# Altium PCB FPv0.16.PcbDoc (part 2 of 2)
Units mil, origin at the board's own origin, x right, y up, seen from the top; angles counter-clockwise.
Board outline 3200 x 2100 mil, 4 copper layers (Top Layer, GROUND PLANE, MidLayer1, Bottom Layer); 85 components, 150 nets, 545 pads, 235 vias.
Unrouted connection lines stored in the file: 72.
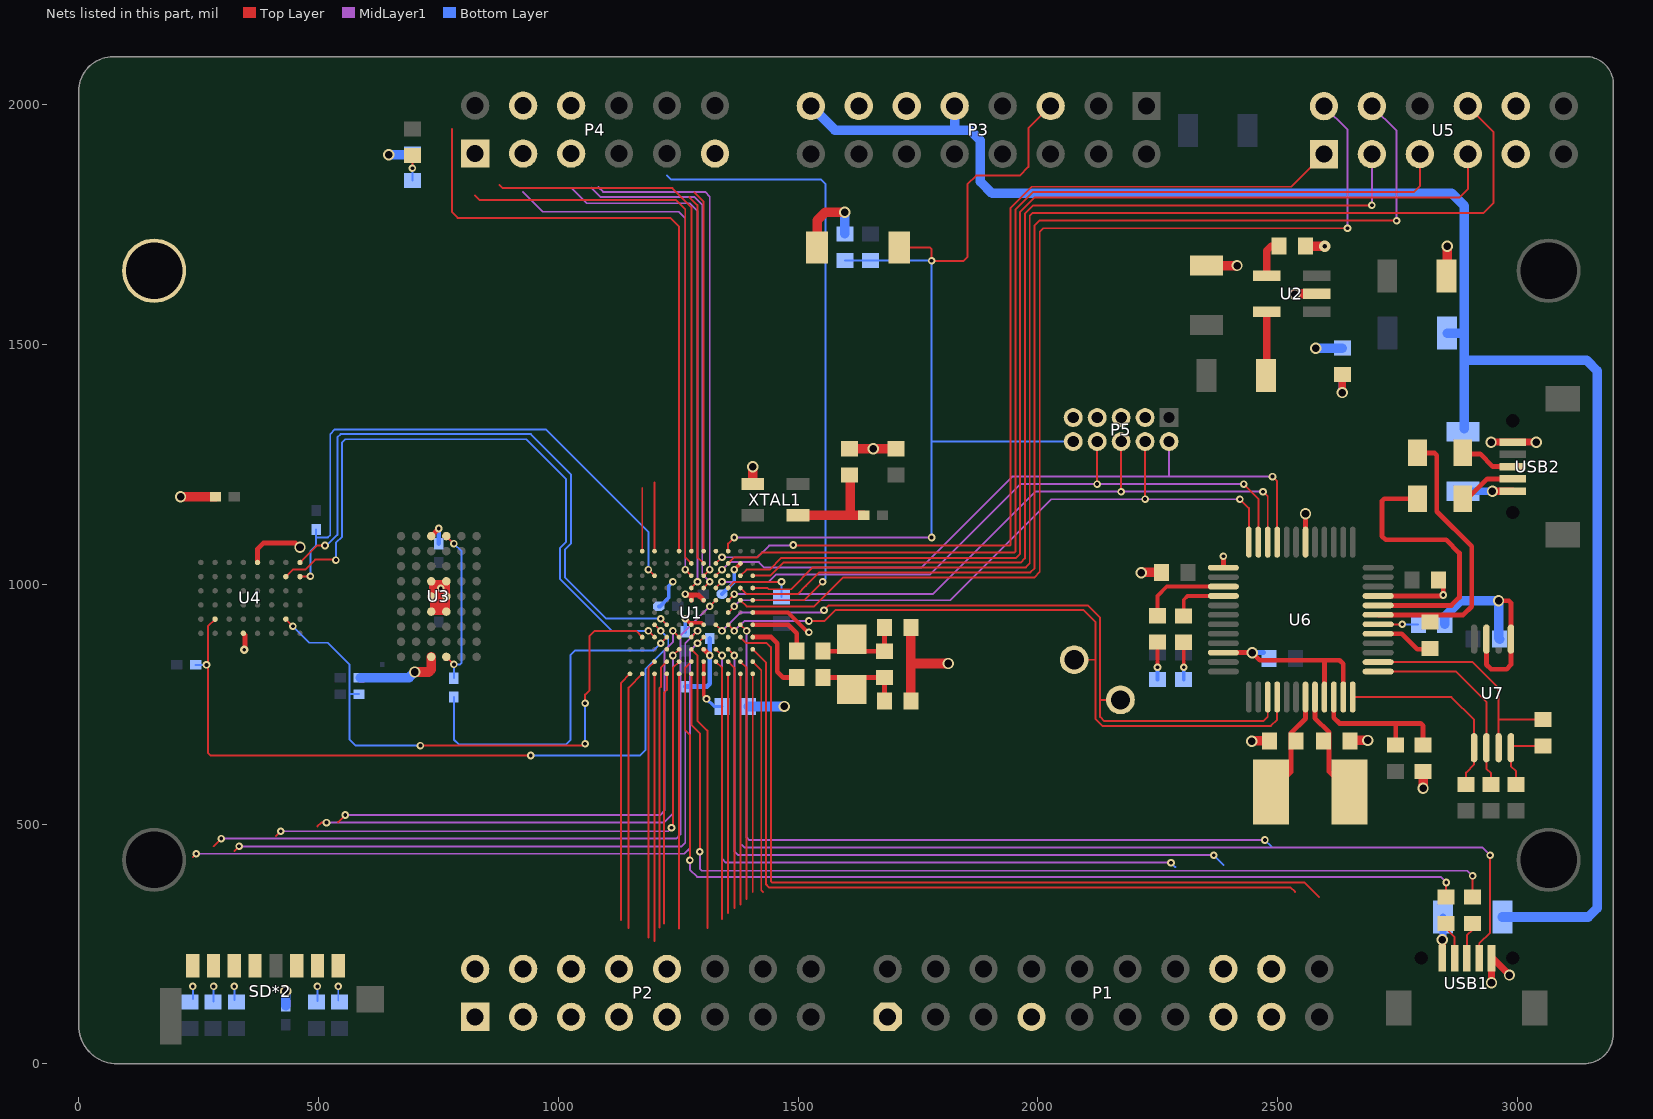
[diagram p4: the nets of this part, all layers, seen from the top]

## Via types
v1: diameter 15.87, hole 7.87, Top Layer to Bottom Layer, tented both sides, 200 vias
v2: diameter 23.62, hole 15.75, Top Layer to Bottom Layer, tented both sides, 33 vias
v3: diameter 23.62, hole 9.45, Top Layer to Bottom Layer, tented both sides, 1 vias
v4: diameter 17.83, hole 7.87, Top Layer to Bottom Layer, tented both sides, 1 vias

## Nets (pads, with @x,y where several pads share a name; then routed paths per layer and width w, separated by ;. In a path a pad name is that pad's centre, name@x,y a point inside that pad or via, vN(x,y) a via of type N, cw(c..) or ccw(c..) an arc to the next point about the centre after c; other vN are vias at no path point) (continued)
ALE: R17.2 U3.A4 U3.J4 | length 345.9
  Top Layer w4: U3.J4@766.73,848.43 v1(782.48,832.68) ; U3.A4@766.73,1100.39 v1(782.48,1084.64)
  Bottom Layer w4: R17.2@782.48,804.13 v1(782.48,832.68) 795.28,832.68 798.54,835.94 798.54,1068.58 v1(782.48,1084.64)
ANALOG1: P1.1
ANALOG2: U1.H2 | length 541.7
  Top Layer w4: U1.H2@1328.74,838.58 1341.54,825.79 1341.54,302.17
ANALOG3: U1.J1 | length 499
  Top Layer w4: 1354.33,313.98 U1.J1@1354.33,812.99
ANALOG4: U1.J2 | length 519.1
  Top Layer w4: U1.J2@1354.33,838.58 1367.13,825.79 1367.13,324.8
ANALOG5: U1.K1 | length 481.3
  Top Layer w4: 1379.92,331.69 U1.K1@1379.92,812.99
ANALOG6: U1.K2 | length 500.4
  Top Layer w4: U1.K2@1379.92,838.58 1392.72,825.79 1392.72,343.5
ANALOG7: U1.L1 | length 454.7
  Top Layer w4: 1405.51,358.27 U1.L1@1405.51,812.99
ANALOG8: U1.L2 | length 489.7
  Top Layer w4: U1.L2@1405.51,838.58 1423.23,820.87 1423.23,362.2 1427.48,357.95
ANALOG9: U1.J3 | length 1457.9
  Top Layer w4: U1.J3@1354.33,864.17 v1(1367.12,851.37)
  MidLayer1 w4: v1(1367.12,851.37) 1367.12,442.92 1375,435.04 v1(2366.63,435.04)
  Bottom Layer w4: v1(2366.63,435.04) 2386.81,414.86
ANALOG10: U1.H3 | length 1394.7
  Top Layer w4: U1.H3@1328.74,864.17 v1(1341.53,851.37)
  MidLayer1 w4: v1(1341.53,851.37) 1341.53,427.17 1349.41,419.29 v1(2277.56,419.29)
  Bottom Layer w4: v1(2277.56,419.29) 2286.81,410.04
ANALOG11: U1.L3 | length 1611.4
  Top Layer w4: U1.L3@1405.51,864.17 1433.23,836.46 1433.23,373.86 1439.13,367.95 2526.73,367.95 2536.42,358.27
ANALOG12: U1.K5 | length 1550.3
  Top Layer w4: U1.K5@1379.92,915.35 v1(1392.72,902.56)
  MidLayer1 w4: v1(1392.72,902.56) 1392.87,902.4 1392.87,472.28 1398.62,466.54 v1(2473.43,466.54)
  Bottom Layer w4: v1(2473.43,466.54) 2486.81,453.15
ANALOG13: U1.K4 | length 1717.6
  Top Layer w4: U1.K4@1379.92,889.76 1392.42,877.26 1434.74,877.26 1443.23,868.78 1443.23,380.59 1445.87,377.95 2556.1,377.95 2586.81,347.24
AVDD: FB1.2 U1.F5 U1.G5 | length 95.2
  Top Layer w8: U1.G5@1303.15,915.35 1299.01,919.5 1281.7,919.5 ; 1273.42,919.5 1281.7,919.5 ; 1273.42,919.5 U1.F5@1277.56,915.35 1281.7,919.5 ; 1273.42,919.5 v1(1264.76,928.15) 1273.41,919.5
  Bottom Layer w8: FB1.2@1264.76,900.59 v1(1264.76,928.15)
BE23_16: U1.D5 U4.A1 | length 1302.9
  Top Layer w4: U4.A1@461.61,1045.28 497.05,1080.71 v1(513.78,1080.71) ; v1(1213.58,928.14) U1.D5@1226.38,915.35
  Bottom Layer w4: v1(513.78,1080.71) 517.09,1080.71 539.37,1102.98 539.37,1306.1 546.1,1312.83 942.91,1312.83 1026.57,1229.17 1026.57,1084.36 1013.78,1071.56 1013.78,1014.76 1100.4,928.14 v1(1213.58,928.14)
BE31_24: U1.C4 U4.B2 | length 1334.9
  Top Layer w4: U4.B2@432.09,1015.75 446.85,1030.51 472.44,1030.51 493.11,1051.18 535.43,1051.18 v1(536.42,1050.2) ; v1(1187.99,902.56) U1.C4@1200.79,889.76
  Bottom Layer w4: v1(536.42,1050.2) 536.42,1085.89 549.37,1098.84 549.37,1295.43 556.1,1302.17 932.91,1302.17 1016.57,1218.5 1016.57,1088.5 1003.78,1075.71 1003.78,1010.62 1111.84,902.56 v1(1187.99,902.56)
EECLK: R23.2 U6.1 U7.2 | length 427.8
  Top Layer w4: U6.1@2709.65,817.91 2872.05,817.91 2935.2,754.76 U7.2@2935.2,659.09 2935.2,615 2944.88,605.32 R23.2@2944.88,582.68
EECS: R24.2 U6.48 U7.1 | length 414.4
  Top Layer w4: U6.48@2656.5,764.76 2862.2,764.76 2909.61,717.36 U7.1@2909.61,659.09 2909.61,624.17 2892.72,607.28 R24.2@2892.72,582.68
EEDATA: R25.1 U6.2 U7.3 | length 490.2
  Top Layer w4: U6.2@2709.65,837.6 2906.5,837.6 2960.79,783.31 U7.3@2960.79,659.09 ; 2960.79,717.52 R25.1@3053.15,717.52
FB_ALE: R17.1 U1.D4 | length 732.9
  Top Layer w4: v1(1213.58,876.96) U1.D4@1226.38,889.76
  Bottom Layer w4: R17.1@782.48,764.76 782.48,676.18 792.32,666.34 1016.73,666.34 1025.75,675.35 1025.75,852.52 1034.76,861.53 1198.15,861.53 v1(1213.58,876.96)
FB_CS0: U1.D3
FB_CS2: R14.1 U1.B4 U4.B5 | length 1194.7
  Top Layer w4: U4.B5@432.09,927.17 v1(446.85,912.4) ; v1(712.6,663.39) 1052.17,663.39 v1(1056.1,667.32) ; v1(1056.1,751.97) 1056.1,769.69 1065.35,778.94 1065.35,892.13 1075.79,902.56 1162.4,902.56 U1.B4@1175.2,889.76
  Bottom Layer w4: v1(446.85,912.4) 481.3,877.95 519.68,877.95 564.59,833.05 564.59,676.56 577.76,663.39 v1(712.6,663.39) ; 564.59,770.67 R14.1@584.65,770.67 ; v1(1056.1,667.32) v1(1056.1,751.97)
FB_OE: R16.1 U1.C9 U4.A2 | length 1217.9
  Top Layer w4: U4.A2@461.61,1015.75 v1@482.28,1015.75 ; v1(1187.99,1030.51) U1.C9@1200.79,1017.72
  Bottom Layer w4: v1(483.27,1016.73) 483.27,1069.07 495.08,1080.88 495.08,1097.53 ; R16.1@495.08,1114.17 495.08,1097.53 ; v1(1187.99,1030.51) 1187.99,1109.25 974.41,1322.83 534.45,1322.83 524.61,1312.99 524.61,1102.36 519.77,1097.53 495.08,1097.53
FB_RW: R15.1 U1.C5 U4.G5 | length 1518.3
  Top Layer w4: U4.G5@284.45,927.17 269.68,912.4 269.68,648.62 275.59,642.72 v1@941.93,642.72 ; U1.C5@1200.79,915.35 v1(1213.59,902.56)
  Bottom Layer w4: R15.1@244.09,831.69 v1(266.73,831.69) ; v1(942.91,642.72) 1170.28,642.72 1182.09,654.53 1182.09,823.65 1229.33,870.89 1229.33,886.82 v1(1213.59,902.56)
FT_RXD: pad.1@2172.24,758.86 U1.H5 U6.39 | length 1486.3
  Top Layer w4: U1.H5@1328.74,915.35 v1(1341.54,902.56) ; v1(1554.13,945.87) 1564.13,955.87 2104.17,955.87 2129.92,930.12 2129.92,758.86 ; pad.1@2172.24,758.86 2129.92,758.86 ; U6.39@2479.33,764.76 2479.33,723.43 2470.47,714.57 2138.78,714.57 2129.92,723.43 2129.92,758.86
  MidLayer1 w4: v1(1341.54,902.56) 1379.92,940.94 1549.21,940.94 v1(1554.13,945.87)
FT_TXD: pad.0@2075.79,842.52 U1.J5 U6.40 | length 1482
  Top Layer w4: U1.J5@1354.33,915.35 v1(1367.13,902.56) ; v1(1522.64,923.23) 1555.12,923.23 1577.76,945.87 2095.47,945.87 2119.92,921.42 2119.92,719.28 2134.64,704.57 2486.06,704.57 2499.02,717.52 U6.40@2499.02,764.76 ; pad.0@2075.79,842.52 2118.94,842.52
  MidLayer1 w4: v1(1367.13,902.56) 1387.8,923.23 v1(1522.64,923.23)
FTM1_QDA: U1.B11 | length 131.9
  Top Layer w4: U1.B11@1175.2,1068.9 1175.2,1200.79
FTM1_QDB: U1.C11 | length 143.7
  Top Layer w4: U1.C11@1200.79,1068.9 1200.79,1212.6
FTM2_QDA: U1.J9
FTM2_QDB: U1.J4
GND: C1.1 C2.1 C3.1 C7.1 C8.2 C12.2 C13.1 C14.2 C15.1 C16.1 C17.1 C18.1 C22.1 C24.2 C27.1 C28.1 C29.1 C32.2 C33.1 C34.1 C35.2 C36.1 C37.1 C38.1 P1.7 P1.17 P3.11 P3.13 P5.3 P5.5 P5.7 P5.9 pad.2 R10.1 R30.1 R31.1 R34.1 S3.1 SD*2.6 U1.F7 U1.G3 U1.G7 U1.K10 U1.L6 U2.2 U3.A3 U3.D3 U3.D4 U3.E3 U3.E4 U3.F3 U3.F4 U3.J3 U4.D1 U4.E6 U5.9 U5.10 U6.9 U6.18 U6.25 U6.34 U6.45 U6.47 U7.5 U7.7 USB1.5 USB2.5 XTAL1.2 | length 3847.7
  Top Layer w8: v1(1367.13,1030.44) 1379.92,1043.24 U1.K10@1379.92,1043.31 ; U1.L6@1405.51,940.94 1479.33,940.94 1520.67,899.61 v1(1522.64,899.61)
  Top Layer w10: U4.E6@343.5,897.64 346.68,894.46 346.68,866.36 345.47,865.16 v4(345.47,863.19) ; U4.D1@373.03,1045.28 373.03,1073.82 384.84,1085.63 452.76,1085.63 v2(461.61,1076.77) ; U3.F3@735.24,942.91 U3.F3@739.93,947.6 ; U3.D3@735.24,1005.91 738.19,1002.95 739.93,1001.22 v1@750.98,990.16 ; U3.A3@735.24,1100.39 v1(750.98,1116.14) ; U3.E3@738.19,977.36 U3.E3@735.24,974.41 739.93,969.72 750.98,958.66 ; U3.D4@762.04,1001.22 U3.D4@766.73,1005.91 ; v1(1264.76,979.33) 1266.89,977.2 1277.56,977.2 ; U1.F7@1277.56,966.54 1277.56,977.2 ; U1.G3@1303.15,864.17 v1(1315.95,851.37) ; U1.G7@1303.15,966.54 1292.48,977.2 1277.56,977.2 ; U6.34@2386.81,857.28 v2(2446.85,857.28) 2462.6,841.54 2628.94,841.54 2636.81,833.66 U6.47@2636.81,764.76 ; U6.25@2386.81,1034.45 v1(2386.81,1058.07) ; U6.18@2558.07,1087.6 v2(2558.07,1146.65) ; U6.45@2597.44,764.76 2597.44,839.57 ; U6.9@2709.65,975.39 2844.49,975.39 2845.47,976.38 v1(2845.47,977.36) C29.1@2845.47,1008.86 ; U7.7@2935.2,885.47 2935.2,832.52 2944.88,822.83 2977.36,822.83 2986.38,831.85 U7.5@2986.38,885.47 2986.38,961.46 2982.28,965.55 v2(2960.63,965.55)
  Top Layer w15: U3.F3@735.24,942.91 U3.F4@766.73,942.91 ; U3.D3@738.19,1002.95 U3.E3@738.19,977.36 ; U3.E3@739.93,969.72 739.93,947.6 750.98,958.66 ; U3.D3@739.93,1001.22 762.04,1001.22 v1@750.98,990.16 ; U3.D4@766.73,1005.91 U3.E4@766.73,974.41 ; v2(2944.88,1296.26) USB2.5@2990.16,1296.26 v2(3039.37,1296.26) ; v2(2945.87,169.29) USB1.5@2945.87,220.47 ; USB1.5@2947.83,220.47 v2(2983.27,185.04) ; U3.E3@738.19,977.36 v1@750.98,990.16 ; U3.E3@738.19,977.36 741.14,974.41 U3.E4@766.73,974.41 ; 750.98,958.66 U3.E4@766.73,974.41 ; 750.98,958.66 U3.F4@766.73,942.91 ; v1@750.98,990.16 752.46,988.68 U3.E4@766.73,974.41 ; U3.F4@766.73,942.91 U3.E4@766.73,974.41
  Top Layer w20: v2(212.6,1182.09) C3.1@285.43,1182.09 ; v2(700.79,816.93) 730.31,816.93 735.24,821.85 U3.J3@735.24,848.43 ; XTAL1.2@1405.51,1208.68 v2(1405.51,1245.08) ; S3.1@1539.72,1701.77 1539.72,1758.23 1557.09,1775.59 v2(1597.44,1775.59) ; C36.1@1607.28,1282.48 C27.1@1703.74,1282.48 ; C38.1@1735.24,756.89 C37.1@1735.24,909.45 ; 1736.71,834.65 v2(1812.99,834.65) ; v2(2215.55,1023.62) 2216.54,1024.61 C28.1@2257.87,1024.61 ; C12.2@2352.36,1664.37 v2(2415.35,1664.37) ; v2(2445.87,672.24) 2446.85,673.23 C33.1@2483.27,673.23 ; v2(2535.43,1604.33) 2536.42,1605.32 U2.2@2581.85,1605.32 ; C13.1@2558.07,1704.72 v3(2598.43,1704.72) ; C35.2@2650.59,673.23 2651.57,674.21 v2(2687.99,674.21) ; v2(2803.15,574.8) C24.2@2803.15,609.25 ; C8.2@2853.35,1638.78 v2(2853.35,1704.72)
  Bottom Layer w8: C2.1@1209.65,953.74 1211.94,953.74 1230.52,972.32 1230.52,996.27 v1(1239.18,1004.92) ; C14.2@1341.54,979.33 1367.13,1004.92 v1(1367.13,1030.44)
  Bottom Layer w10: C15.1@750.98,1084.65 v1(750.98,1116.14) ; v1@751.97,991.14 v1(754.92,991.14) ; C1.1@1264.76,786.42 1310.04,786.42 1315.95,792.33 v1(1315.95,851.37) ; v1(1315.95,851.37) R10.1@1315.94,886.81 ; v2(2446.85,857.28) C22.1@2470.47,857.28
  Bottom Layer w20: C17.1@432.09,121.06 v2(432.09,151.57) ; C16.1@587.6,805.12 688.98,805.12 v2(700.79,816.93) ; v2(646.65,1895.67) R34.1@694.87,1895.67 ; C18.1@750.98,960.63 750.98,990.16 v1@751.97,991.14 ; R30.1@1396.65,745.08 v2(1471.46,745.08) ; C7.1@1597.44,1730.31 v2(1597.44,1775.59) ; v2(2579.72,1492.13) R31.1@2634.84,1492.13 ; C32.2@2848.43,916.34 2848.43,933.07 2880.91,965.55 v2(2960.63,965.55) 2960.63,887.6 C34.1@2962.76,885.47
  other v2: 1656.5,1282.48
JTAG_TCK: P5.4 U1.J6 U6.24 | length 1381.2
  Top Layer w4: U1.J6@1354.33,940.94 v1(1367.12,953.74) ; v1(2223.62,1177.36) P5.4@2223.62,1297.44 ; v1(2421.26,1177.17) 2439.96,1158.46 U6.24@2439.96,1087.6
  MidLayer1 w4: v1(1367.12,953.74) 1379.92,966.54 1816.93,966.54 2027.56,1177.17 v1@2420.28,1177.17
JTAG_TDI: P5.8 U1.H8 U6.23 | length 1412.6
  Top Layer w4: U1.H8@1328.74,992.13 v1(1341.54,1004.92) ; v1(2123.62,1208.66) P5.8@2123.62,1297.44 ; v1(2429.13,1208.66) 2459.65,1178.15 U6.23@2459.65,1087.6
  MidLayer1 w4: v1(1341.54,1004.92) 1438.98,1004.92 1454.5,1020.45 1775.37,1020.45 1963.58,1208.66 v1(2123.62,1208.66) v1(2429.13,1208.66)
JTAG_TDO: P5.6 U1.J7 U6.22 | length 1422.8
  Top Layer w4: U1.J7@1354.33,966.54 v1(1367.13,979.33) ; v1(2173.62,1192.91) P5.6@2173.62,1297.44 ; v1(2469.49,1192.91) 2479.33,1183.07 U6.22@2479.33,1087.6
  MidLayer1 w4: v1(1367.13,979.33) 1780.52,979.33 1994.09,1192.91 v1(2173.62,1192.91) v1(2469.49,1192.91)
JTAG_TMS: P5.2 U1.H9 U6.21 | length 1469.3
  Top Layer w4: U1.H9@1328.8,1017.72 v1(1341.54,1030.45) ; v1(2489.17,1224.41) 2499.02,1214.57 U6.21@2499.02,1087.6
  MidLayer1 w4: v1(1341.54,1030.45) 1357.19,1046.1 1418.46,1046.1 1429.8,1034.76 1756.57,1034.76 1946.22,1224.41 2273.62,1224.41 ; P5.2@2273.62,1297.44 2273.62,1224.41 ; v1(2489.17,1224.41) 2273.62,1224.41
MRF_CS: U1.K9 U5.7 | length 2341
  Top Layer w4: U1.K9@1379.92,1017.72 1392.72,1030.51 1440.94,1030.51 1465.39,1054.96 1954.46,1054.96 1963.11,1063.61 1963.11,1776.46 1992.75,1806.1 2878.94,1806.1 2896.46,1823.62 U5.7@2896.46,1896.65
MRF_INT: U1.K7 U5.2 | length 2291.2
  Top Layer w4: U1.K7@1379.92,966.54 1392.72,953.74 1533.46,953.74 1593.5,1013.78 1992.13,1013.78 2003.94,1025.59 2003.94,1735.24 2010.83,1742.13 v1(2645.67,1742.13)
  MidLayer1 w4: U5.2@2596.46,1996.65 2645.67,1947.44 v1(2645.67,1742.13) v1@2645.67,1739.17
MRF_SCK: U1.L9 U5.3 | length 2138.3
  Top Layer w4: U1.L9@1405.51,1017.72 1442.29,1017.72 1469.54,1044.96 1964.25,1044.96 1973.11,1053.82 1973.11,1772.32 1990.51,1789.72 v1@2696.46,1789.72
  MidLayer1 w4: v1(2696.46,1789.96) U5.3@2696.46,1896.65
MRF_SDI: U1.H10 U5.1 | length 2031.7
  Top Layer w4: U1.H10@1328.74,1043.31 v1(1341.54,1056.1) ; v1@1490.16,1080.51 1941.73,1080.51 1943.11,1081.89 1943.11,1784.75 1987.1,1828.74 2528.54,1828.74 U5.1@2596.46,1896.65
  MidLayer1 w4: v1(1341.54,1056.1) 1415.35,1056.1 1439.76,1080.51 v1@1488.97,1080.51
  other v1: 1490.16,1081.69
MRF_SDO: U1.J10 U5.5 | length 2252.3
  Top Layer w4: U1.J10@1354.33,1043.31 1366.75,1055.73 1414.98,1055.73 1425.2,1065.94 1951.31,1065.94 1953.11,1067.75 1953.11,1780.61 1990.42,1817.91 2784.45,1817.91 2796.46,1829.92 U5.5@2796.46,1896.65
MRF_WAKE: U1.K8 U5.4 | length 2374.7
  Top Layer w4: U1.K8@1379.92,992.13 1392.72,979.33 1499.19,979.33 1516.42,996.56 1516.42,996.73 1544.29,1024.61 1984.25,1024.61 1993.11,1033.46 1993.11,1748.03 2002.95,1757.87 v1(2748.03,1757.87)
  MidLayer1 w4: U5.4@2696.46,1996.65 2748.03,1945.08 v1(2748.03,1757.87)
N_RST: C7.2 P3.5 P5.10 R32.2 S3.2 U1.J11 | length 2108.3
  Top Layer w4: U1.J11@1354.33,1068.9 1354.33,1084.65 v1(1367.13,1097.44) ; S3.2@1710.98,1701.77 1775.59,1701.77 1778.54,1698.82 v1(1778.54,1674.21) 1845.47,1674.21 1853.19,1681.93 1853.19,1833.5 1871.38,1851.69 1961.93,1851.69 1980.31,1870.08 1980.31,1950.75 P3.5@2026.61,1997.05
  MidLayer1 w4: v1(1367.13,1097.44) v1(1778.54,1097.44)
  Bottom Layer w4: C7.2@1597.44,1675.2 v1@1778.54,1675.2 ; v1(1778.54,1097.44) v1(1778.54,1674.21) ; 1779.72,1297.44 P5.10@2073.62,1297.44
NetC13_2: C13.2 U2.4 | length 82.5
  Top Layer w15: U2.4@2477.2,1642.72 2477.2,1695.71 2486.22,1704.72 C13.2@2502.95,1704.72
NetC24_1: C24.1 R1.2 U6.46 | length 320.9
  Top Layer w10: U6.46@2617.13,764.76 2617.13,721.46 2628.94,709.65 2798.23,709.65 2803.15,704.72 C24.1@2803.15,664.37 ; R1.2@2746.06,664.37 2746.06,708.66
NetC32_1: C32.1 U6.6 | length 82.7
  Top Layer w4: U6.6@2709.65,916.34 v1(2759.84,916.34)
  Bottom Layer w4: v1(2759.84,916.34) C32.1@2792.32,916.34
NetC33_2: C33.2 U6.43 Y2.2 | length 227.6
  Top Layer w10: Y2.2@2486.22,566.93 2527.56,608.27 2527.56,688.98 2558.07,719.49 U6.43@2558.07,764.76
NetC35_1: C35.1 U6.44 Y2.1 | length 227.6
  Top Layer w10: U6.44@2577.76,764.76 2577.76,720.47 2607.28,690.94 2607.28,682.09 2607.28,609.25 Y2.1@2649.61,566.93
NetC36_2: C36.2 FB2.2 XTAL1.4 | length 218.5
  Top Layer w20: XTAL1.4@1500.01,1143.68 1609.25,1143.7 ; C36.2@1609.25,1225.39 1609.25,1143.7 ; FB2.2@1636.81,1143.7 1609.25,1143.7
NetC37_2: C37.2 R26.1 R27.1 Y1.1 | length 169.1
  Top Layer w10: R26.1@1552.32,860.31 R27.1@1672.2,860.31 ; R27.1@1680.12,860.24 C37.2@1680.12,909.45
NetC38_2: C38.2 R27.2 R28.1 Y1.2 | length 168.2
  Top Layer w10: R28.1@1552.32,805.31 R27.2@1672.32,805.31 ; C38.2@1680.12,756.89 R27.2@1680.12,805.12
NetF2_1: F2.1 U2.5 | length 132.9
  Top Layer w15: F2.1@2477.2,1435.04 U2.5@2477.2,1567.91
NetL1_2: L1.2 R34.2 | length 50.9
  Top Layer w4: v1@695.87,1868.11 L1.2@695.87,1893.7
  Bottom Layer w4: v1(695.87,1867.13) 696.37,1866.63 R34.2@696.37,1842.05
NetL3_2: L3.2 R31.2 | length 74.8
  Top Layer w15: v2(2634.84,1399.61) L3.2@2634.84,1437.01
  Bottom Layer w15: v2(2634.84,1399.61) R31.2@2634.84,1437.01
NetL4_1: L4.1 R18.1 | length 77.9
  Top Layer w8: v1(2304.13,826.77) L4.1@2304.13,878.94
  Bottom Layer w8: R18.1@2304.13,801.06 v1(2304.13,826.77)
NetL5_1: L5.1 R19.1 | length 79.4
  Top Layer w8: L5.1@2249.37,879.09 2249.37,827.99 v1@2250.59,826.77
  Bottom Layer w8: R19.1@2249.37,801.22 v1@2249.37,826.63 ; v1(2249.46,826.72) 2249.51,826.77 v1@2250.59,826.77
NetR2_2: R2.2 USB1.2 | length 79.2
  Top Layer w4: R2.2@2851.38,292.32 2851.38,281.5 2869.09,263.78 USB1.2@2869.09,220.47
NetR3_2: R3.2 USB1.3 | length 76.7
  Top Layer w4: USB1.3@2894.68,220.47 2894.68,267.72 2906.5,279.53 R3.2@2906.5,292.32
NetR9_2: R9.2 U1.J8 | length 148
  Top Layer w4: U1.J8@1354.33,992.13 1367.13,1004.92 v1(1465.55,1004.92)
  Bottom Layer w4: R9.2@1465.55,973.43 v1(1465.55,1004.92)
NetR20_1: R20.1 USB2.2 | length 121.5
  Top Layer w10: R20.1@2885.83,1178.15 2895.67,1178.15 2937.01,1219.49 USB2.2@2990.16,1219.49
NetR21_1: R21.1 USB2.3 | length 117.3
  Top Layer w10: R21.1@2883.86,1271.65 2922.24,1271.65 2948.82,1245.08 USB2.3@2990.16,1245.08
NetR22_2: R22.2 R25.2 U7.4 | length 144.3
  Top Layer w4: U7.4@2986.38,659.09 2986.38,620.91 2997.05,610.24 R22.2@2997.05,582.68 ; U7.4@2989.69,662.4 R25.2@3053.15,662.4
NetR29_2: R29.2 U6.5 | length 124.6
  Top Layer w10: U6.5@2709.65,896.65 2758.86,896.65 2791.34,864.17 2811.02,864.17 R29.2@2817.91,871.06
NetR30_2: R30.2 U1.G1 U1.G2 | length 128.1
  Top Layer w7: U1.G2@1303.15,838.58 U1.G1@1303.15,812.99 1303.15,766.73 v1(1309.06,760.83)
  Bottom Layer w4: R30.2@1341.54,745.08 R30.2@1341.54,753.94
  Bottom Layer w7: v1(1309.06,760.83) 1324.8,745.08 R30.2@1341.54,745.08
PTA13: U1.L8 U5.8 | length 2527.9
  Top Layer w4: U1.L8@1405.51,992.13 1436.02,992.13 1438.66,989.49 1485.55,989.49 1531.02,1034.96 1974.92,1034.96 1983.11,1043.15 1983.11,1768.18 1988.55,1773.62 2929.13,1773.62 2949.8,1794.29 2949.8,1943.31 U5.8@2896.46,1996.65
PTA19: P4.11
PTA29: P4.5 U1.H11
PTB0: P4.6 U1.G11 | length 756
  Top Layer w4: 1283.62,1816.77 1303.15,1797.24 U1.G11@1303.15,1068.9
PTB1: P4.3 U1.G10 | length 776
  Top Layer w4: 1273.62,1807.09 1290.35,1790.35 1290.35,1056.1 U1.G10@1303.15,1043.31
PTB2: P4.4 U1.G9 | length 1036.1
  Top Layer w4: U1.G9@1303.15,1017.72 v1(1315.94,1030.51)
  MidLayer1 w4: 1083.66,1827.76 1093.5,1817.91 1306.1,1817.91 1315.94,1808.07 v1(1315.94,1030.51)
PTB3: P4.1 U1.G8 | length 1057
  Top Layer w4: U1.G8@1303.15,992.13 v1(1315.94,1004.92)
  MidLayer1 w4: 1068.9,1826.77 1088.58,1807.09 1284.45,1807.09 1300.35,1791.18 1300.35,1020.51 v1(1315.94,1004.92)
PTB6: U1.F11 | length 1137.3
  Top Layer w4: 876.97,1832.68 883.86,1825.79 1238.19,1825.79 1277.56,1786.42 U1.F11@1277.56,1068.9
PTB7: U1.E11 | length 1336.2
  Top Layer w4: 778.54,1949.57 778.54,1775.59 790.35,1763.78 1233.27,1763.78 1251.97,1745.08 U1.E11@1251.97,1068.9
PTB20: U1.F10 | length 1193.2
  Top Layer w4: 826.81,1810 835.63,1801.18 1245.08,1801.18 1264.76,1781.5 1264.76,1056.1 U1.F10@1277.56,1043.31
PTB21: U1.F9 | length 1110.9
  Top Layer w4: v1(1264.76,1030.51) U1.F9@1277.56,1017.72
  MidLayer1 w4: 926.81,1817.28 967.52,1776.57 1250.98,1776.57 1264.76,1762.8 v1(1264.76,1030.51)
PTB22: U1.F8 | length 1075.1
  Top Layer w4: U1.F8@1277.56,992.13 v1(1290.35,1004.92)
  MidLayer1 w4: 1026.81,1826.54 1059.06,1794.29 1274.61,1794.29 1290.35,1778.54 v1(1290.35,1004.92)
PTD7: P2.1 U1.A1 | length 520.5
  Top Layer w4: 1130.91,300.2 1130.91,794.29 U1.A1@1149.61,812.99
PTD8: P2.2
PTD9: P2.3
PTD10: P2.4 U1.B1 | length 541.4
  Top Layer w4: 1146.65,283.46 1146.65,784.45 U1.B1@1175.2,812.99
PTD11: P2.5 U1.C2 | length 580.1
  Top Layer w4: 1187.99,263.78 1187.99,825.79 U1.C2@1200.79,838.58
PTD12: P2.6 U1.C1 | length 557.1
  Top Layer w4: 1200.79,255.91 U1.C1@1200.79,812.99
PTD13: P2.7 U1.D2 | length 560.7
  Top Layer w4: 1210.79,284.29 1210.79,782.64 1213.96,785.81 1213.96,826.16 U1.D2@1226.38,838.58
PTD14: P2.8 U1.D1 | length 523.3
  Top Layer w4: 1220.79,292.01 1220.79,773.94 1226.38,779.53 U1.D1@1226.38,812.99
PTD15: P2.9 U1.E1 | length 530.5
  Top Layer w4: 1251.97,282.48 U1.E1@1251.97,812.99
PTE0: R8.2 SD*2.8 U1.E4 | length 1120.2
  Top Layer w4: v1@541.22,161.54 v1(541.34,161.42) ; 541.22,503.82 v1(556.1,518.7) ; v1(1239.17,902.56) U1.E4@1251.97,889.76
  MidLayer1 w4: v1(556.1,518.7) 1212.6,518.7 1221.46,527.56 1221.46,861.22 1239.17,878.93 v1(1239.17,902.56)
  Bottom Layer w4: R8.2@541.34,131.89 v1(541.34,161.42)
PTE1: R7.2 SD*2.7 U1.E3 | length 1130.8
  Top Layer w4: 497.91,494.96 505.91,502.95 v1(516.73,502.95) ; v1(1239.17,851.37) U1.E3@1251.97,864.17
  MidLayer1 w4: v1(516.73,502.95) 1220.47,502.95 1239.17,521.65 v1(1239.17,851.37)
  Bottom Layer w4: R7.2@497.91,130.79 v1(497.91,161.42)
PTE2: SD*2.5 U1.E2 | length 1183.8
  Top Layer w4: 411.3,474.96 v1(421.26,484.92) ; v1@1239.17,492.13 1239.17,825.79 U1.E2@1251.97,838.58
  MidLayer1 w4: v1(421.26,484.92) 1229.02,484.92 v1(1236.22,492.13)
PTE3: R6.2 SD*2.3 U1.F4 | length 1446.2
  Top Layer w4: 324.69,443.46 v1(334.65,453.43) ; U1.F4@1277.56,889.76 v1(1290.35,902.56)
  MidLayer1 w4: v1(334.65,453.43) 1257.56,453.43 1264.76,460.63 1264.76,876.97 v1(1290.35,902.56)
  Bottom Layer w4: R6.2@324.69,132.99 v1(324.69,161.42)
PTE4: R5.2 SD*2.2 U1.H7 | length 1534.2
  Top Layer w4: 281.38,453.62 v1(297.24,469.49) ; v1(1315.94,953.74) U1.H7@1328.74,966.54
  MidLayer1 w4: v1(297.24,469.49) 1246.06,469.49 1254.76,478.19 1254.76,892.56 v1(1315.94,953.74)
  Bottom Layer w4: R5.2@281.38,129.8 v1(281.38,161.42)
PTE5: R4.2 SD*2.1 U1.G4 | length 1522.8
  Top Layer w4: 238.07,430.98 v1(245.08,437.99) ; v1(1290.35,876.96) U1.G4@1303.15,889.76
  MidLayer1 w4: v1(245.08,437.99) 1262.8,437.99 1274.76,449.96 1274.76,861.38 v1(1290.35,876.96)
  Bottom Layer w4: R4.2@238.07,134.72 v1(238.07,161.42)
PTE6: P2.10 U1.F3 | length 595.4
  Top Layer w4: U1.F3@1277.56,864.17 1290.35,851.38 1290.35,715.55 1311.02,694.88 1311.02,282.64
PTE24: P1.15
PTE25: P1.16
PTE26: P1.18
RTC_INT: U1.L7 | length 1331.2
  Top Layer w4: U1.L7@1405.51,966.54 1512.8,966.54 v1(1551.18,1004.92)
  Bottom Layer w4: 1226.81,1851.93 1235.24,1843.5 1548.23,1843.5 1557.09,1834.65 1557.09,1010.83 v1(1551.18,1004.92)
RTCX1: R26.2 U1.L5 | length 136.3
  Top Layer w10: U1.L5@1405.51,915.35 1479.33,915.35 1497.2,897.48 R26.2@1497.2,860.31
RTCX2: R28.2 U1.L4 | length 161.3
  Top Layer w10: U1.L4@1405.51,889.76 1443.9,889.76 1456.69,876.97 1456.69,817.91 1469.29,805.31 R28.2@1497.2,805.31
RXD_LED: L4.2 U6.28 | length 119.4
  Top Layer w8: L4.2@2304.13,934.06 2304.13,967.52 2312.01,975.39 U6.28@2386.81,975.39
TXD_LED: L5.2 U6.27 | length 187
  Top Layer w8: L5.2@2249.37,934.21 2249.37,975.75 2268.7,995.08 U6.27@2386.81,995.08
USB0D_N: R20.2 U6.8 | length 593.5
  Top Layer w10: U6.8@2709.65,955.71 2862.2,955.71 2878.94,972.44 2878.94,1064.96 2851.38,1092.52 2725.39,1092.52 2717.52,1100.39 2717.52,1173.23 2722.44,1178.15 R20.2@2791.34,1178.15
USB0D_P: R21.2 R29.1 U6.7 | length 602.8
  Top Layer w10: U6.7@2709.65,936.02 R29.1@2826.77,936.02 ; R21.2@2791.34,1273.62 2826.77,1273.62 2831.69,1268.7 2831.69,1151.57 2904.53,1078.74 2904.53,953.51 2887.04,936.02 2827.76,936.02 R29.1@2817.91,926.18
USB1_ID: USB1.4 | length 1820.5
  Top Layer w4: USB1.4@2919.29,220.47 2919.29,248.03 ; USB1.4@2920.27,220.47 2920.27,250.98 2942.91,273.62 v1(2942.91,435.04)
  MidLayer1 w4: 1382.87,456.69 1388.78,450.79 2927.17,450.79 v1(2942.91,435.04)
USB1D_N: R2.1 U1.F2 | length 2061.7
  Top Layer w4: v1(1274.61,424.21) 1274.61,686.02 1264.76,695.87 1264.76,825.79 U1.F2@1277.56,838.58 ; R2.1@2851.38,347.44 v1(2851.38,377.95)
  MidLayer1 w4: v1(1274.61,424.21) 1274.61,404.53 1289.37,389.76 2839.57,389.76 v1(2851.38,377.95)
USB1D_P: R3.1 U1.F1 | length 2075.5
  Top Layer w4: U1.F1@1277.56,812.99 1277.56,706.69 1295.28,688.98 v1(1295.28,441.93) ; R3.1@2906.5,347.44 v1(2906.5,391.73)
  MidLayer1 w4: v1(1295.28,441.93) 1295.28,406.5 1299.21,402.56 2895.67,402.56 v1(2906.5,391.73)
VBUS0: D1.1 USB2.1 | length 103.3
  Top Layer w15: v2(2947.83,1193.9) USB2.1@2990.16,1193.9
  Bottom Layer w15: D1.1@2886.81,1193.9 v2(2947.83,1193.9)
VBUS1: D2.1 USB1.1 | length 86
  Top Layer w15: USB1.1@2843.5,220.47 v2(2843.5,258.86)
  Bottom Layer w15: v2(2843.5,258.86) 2844.49,259.84 D2.1@2844.49,306.1
VCC: D1.2 D2.2 F1.1 P3.9 P3.15 | length 3661.1
  Bottom Layer w20: P3.15@1526.61,1997.05 1576.81,1946.85 1825.63,1946.85 ; P3.9@1826.61,1997.05 1826.61,1946.85 1858.27,1946.85 1879.92,1925.2 1879.92,1839.57 1904.53,1814.96 2863.19,1814.96 2888.78,1789.37 2888.78,1524.61 ; F1.1@2853.35,1523.62 2887.8,1523.62 2888.78,1524.61 ; D1.2@2888.78,1323.82 2888.78,1466.54 ; D2.2@2968.5,306.1 3147.64,306.1 3166.34,324.8 3166.34,1444.88 3144.69,1466.54 2888.78,1466.54 ; 2888.78,1466.54 2888.78,1524.61
pads on no net: L1.1 P1.2 P1.3 P1.4 P1.5 P1.6 P1.8 P1.9 P1.10 P1.11 P1.12 P1.13 P1.14 P1.19 P1.20 P2.11 P2.12 P2.13 P2.14 P2.15 P2.16 P3.1 P3.2 P3.4 P3.6 P3.8 P3.10 P3.12 P3.14 P3.16 P4.2 P4.7 P4.8 P4.9 P4.10 P4.12 SD*2.0 U1.A4 U1.A5 U1.A6 U1.A9 U1.A10 U1.A11 U1.B5 U1.B6 U1.B8 U1.D11 U1.E8 U1.H1 U1.H4 U1.H6 U1.K3 U1.K11 U3.A2 U3.A5 U3.B3 U3.B4 U3.H3 U3.H4 U3.J2 U3.J5 U4.E3 U4.H6 U5.6 U6.11 U6.12 U6.13 U6.15 U6.16 U6.17 U6.19 U6.20 U6.29 U6.30 U6.32 U6.33 U6.35 U6.36 U6.37 U6.38 U6.41 USB1.0 USB1.6 USB1.7 USB2.0 USB2.4 USB2.6 USB2.7 XTAL1.1
copper on no net: | length 593.1
  Top Layer w4: 1328.74,292.32 1328.74,812.99
  Top Layer w20: 454.61,201.26 v2@454.61,273.74
  other v2: 453.74,274.61

## Polygon pours and split planes (outlines as drawn)
GND on MidLayer1 "MidLayer1-GND" (solid, pour order 2): 89.57,1705.71 1256.89,1705.71 1256.89,531.5 720.05,531.5 89.57,531.5
GND on GROUND PLANE (split plane): 72.44,2079.9 3142.13,2079.9 3142.6,2079.95 3147.07,2079.66 3151.92,2078.69 3156.61,2077.1 3161.05,2074.91 3165.17,2072.16 3168.89,2068.89 3172.16,2065.17 3174.91,2061.05 3177.1,2056.61 3178.69,2051.92 3179.66,2047.07 3179.95,2042.6 3179.9,2042.13 3179.9,62.2 3179.96,61.67 3179.63,56.7 3178.55,51.28 3176.78,46.06 3174.34,41.11 3171.27,36.52 3167.63,32.37 3163.48,28.73 3158.89,25.66 3153.94,23.22 3148.72,21.45 3143.3,20.37 3138.33,20.04 3137.8,20.1 80.71,20.1 80.11,20.04 73.91,20.39 67.2,21.53 60.66,23.41 54.37,26.02 48.41,29.31 42.86,33.25 37.78,37.78 33.25,42.86 29.31,48.41 26.02,54.37 23.41,60.66 21.53,67.2 20.39,73.91 20.04,80.11 20.1,80.71 20.1,2027.56 20.05,2028.07 20.35,2033.43 21.33,2039.22 22.96,2044.87 25.21,2050.3 28.05,2055.45 31.45,2060.24 35.37,2064.63 39.76,2068.55 44.55,2071.95 49.7,2074.79 55.13,2077.04 60.78,2078.67 66.57,2079.65 71.93,2079.95

## Keep-outs
Keep-Out Layer:
  the board outline again, w10

## Silkscreen, mask and mechanical layers (free items; w line width, h text height)
Top Overlay:
  drawing of 565 lines, arcs and shapes, not listed
  text ">" at 705.71,1925.2 h30 r90
  text "DDK" at 331.69,1828.74 h50
  text "NC" at 2207.68,1815.94 h30
  text "3.3V" at 2106.3,1814.96 h30
  text "RST" at 2005.91,1813.98 h30
  text "GND" at 1596.46,1812.99 h30
  text "VCC" at 1802.17,1812.99 h30
  text "3.3V" at 1904.53,1812.99 h30
  text "VCC" at 1496.06,1812.01 h30
  text "GND" at 1698.82,1811.02 h30
  text "GND" at 2972.44,1808.07 h30
  text "3.3V" at 3078.74,1807.09 h30
  text "INT" at 2570.87,1806.1 h30
  text "PTA13" at 2861.22,1806.1 h30
  text "WAKE" at 2659.45,1805.12 h30
  text "3.3V" at 3079.72,1760.83 h30
  text "SDI" at 2573.82,1759.84 h30
  text "SCK" at 2676.18,1759.84 h30
  text "SDO" at 2778.54,1759.84 h30
  text "CS" at 2885.83,1759.84 h30
  text "GND" at 2974.41,1759.84 h30
  text "人民满意，世人仰慕！" at 230.32,1751.97 h50
  text "470P" at 2512.8,1733.27 h20
  text "+" at 2730.31,1694.88 h20 r90
  text "RST" at 1749.02,1691.93 h20
  text "GND" at 1502.95,1681.1 h20 r90
  text "10uF" at 2762.8,1634.84 h30
  text "2.2uF" at 2359.25,1571.85 h30 r90
  text "+" at 2291.34,1556.1 h20
  text "3.3V" at 2457.68,1526.57 h20
  text "3.3V" at 2299.21,1514.76 h20 r90
  text ">" at 2625.98,1471.46 h30 r270
  text "F" at 2407.48,1423.23 h30
  text "3.3V" at 2251.97,1395.67 h30
  text "105" at 1749.02,1241.14 h20 r90
  text "104" at 1576.77,1240.16 h20 r90
  text "GND" at 1350.39,1232.28 h20 r270
  text "27R" at 2734.25,1214.57 h20 r90
  text "104" at 293.31,1199.8 h20
  text "FB" at 1645.67,1108.27 h20
  text "104" at 2262.8,1052.17 h20
  text "104" at 2798.23,1038.39 h20
  text "12P" at 1693.9,937.01 h20
  text ">" at 2254.92,902.56 h20 r90
  text ">" at 2310.04,902.56 h20 r90
  text "FT_TXD" at 1995.08,890.75 h30
  text "1.5K" at 2863.19,875.98 h20 r90
  text "0R" at 1470.47,823.82 h20 r90
  text "1M" at 1721.46,818.9 h20 r90
  text "12P" at 1695.87,711.61 h20
  text "27P" at 2551.18,699.8 h20
  text "470R" at 2726.38,692.91 h20
  text "FT_RXD" at 2121.06,691.93 h30
  text "104" at 2787.4,691.93 h20
  text "2.2K" at 3095.47,675.2 h20 r90
  text "10K" at 3038.39,541.34 h20 r90
  text "6MHZ" at 2577.76,524.61 h30 r90
  text "0R" at 2871.06,374.02 h20
  text "通用平台V0.1" at 62.01,307.09 h50 r270
  text "3.3V" at 375.98,284.45 h30 r90
  text "PTE2" at 420.28,283.46 h30 r90
  text "PTE5" at 246.06,282.48 h30 r90
  text "PTE1" at 503.94,282.48 h30 r90
  text "PTE0" at 549.21,282.48 h30 r90
  text "PTE4" at 290.35,281.5 h30 r90
  text "PTE3" at 333.66,281.5 h30 r90
Bottom Overlay:
  text "0R" at 2368.11,1958.66 h30 r90
  text "10k" at 726.38,1848.43 h30 r270
  text "104" at 1610.24,1631.89 h20
  text "10K" at 1662.4,1630.91 h20
  text "F" at 2801.18,1514.76 h30
  text ">" at 2893.7,1251.97 h30 r90
  text "10K" at 480.32,1189.96 h20 r180
  text "104" at 733.27,1079.72 h20 r90
  text "104" at 1251.97,971.46 h20
  text "10K" at 1505.91,963.58 h20 r90
  text "104" at 1354.33,950.79 h20
  text "104" at 728.35,943.9 h20 r90
  text "FB" at 1246.06,888.78 h20 r90
  text "0R" at 1346.46,887.8 h20 r90
  text "104" at 2525.59,877.95 h30
  text "33nF" at 2849.41,868.11 h30
  text "104" at 504.92,829.72 h20
  text "104" at 1245.08,819.88 h20 r90
  text "10K" at 269.69,817.91 h20 r270
  text "100R" at 848.43,799.21 h20
  text "2K" at 2292.32,754.92 h30
  text "10K" at 504.92,750 h20
  text "10K" at 1357.28,709.65 h20 r180
  text ">" at 2901.57,297.24 h30
  text "104" at 408.46,115.16 h20 r90
  text "10K" at 293.31,32.48 h20
  text "10K" at 535.43,32.48 h20